# Altium PCB 1166V10.PcbDoc (part 2 of 6)
Units mm, origin at the board's own origin, x right, y up, seen from the top; angles counter-clockwise.
Board outline 155.98 x 100 mm, 8 copper layers (Top Layer, Layer 1, Layer 2, Layer 3, Layer 4, Layer 5, Layer 6, Bottom Layer), stack 1.6 mm thick; 455 components, 271 nets, 1649 pads, 2175 vias.
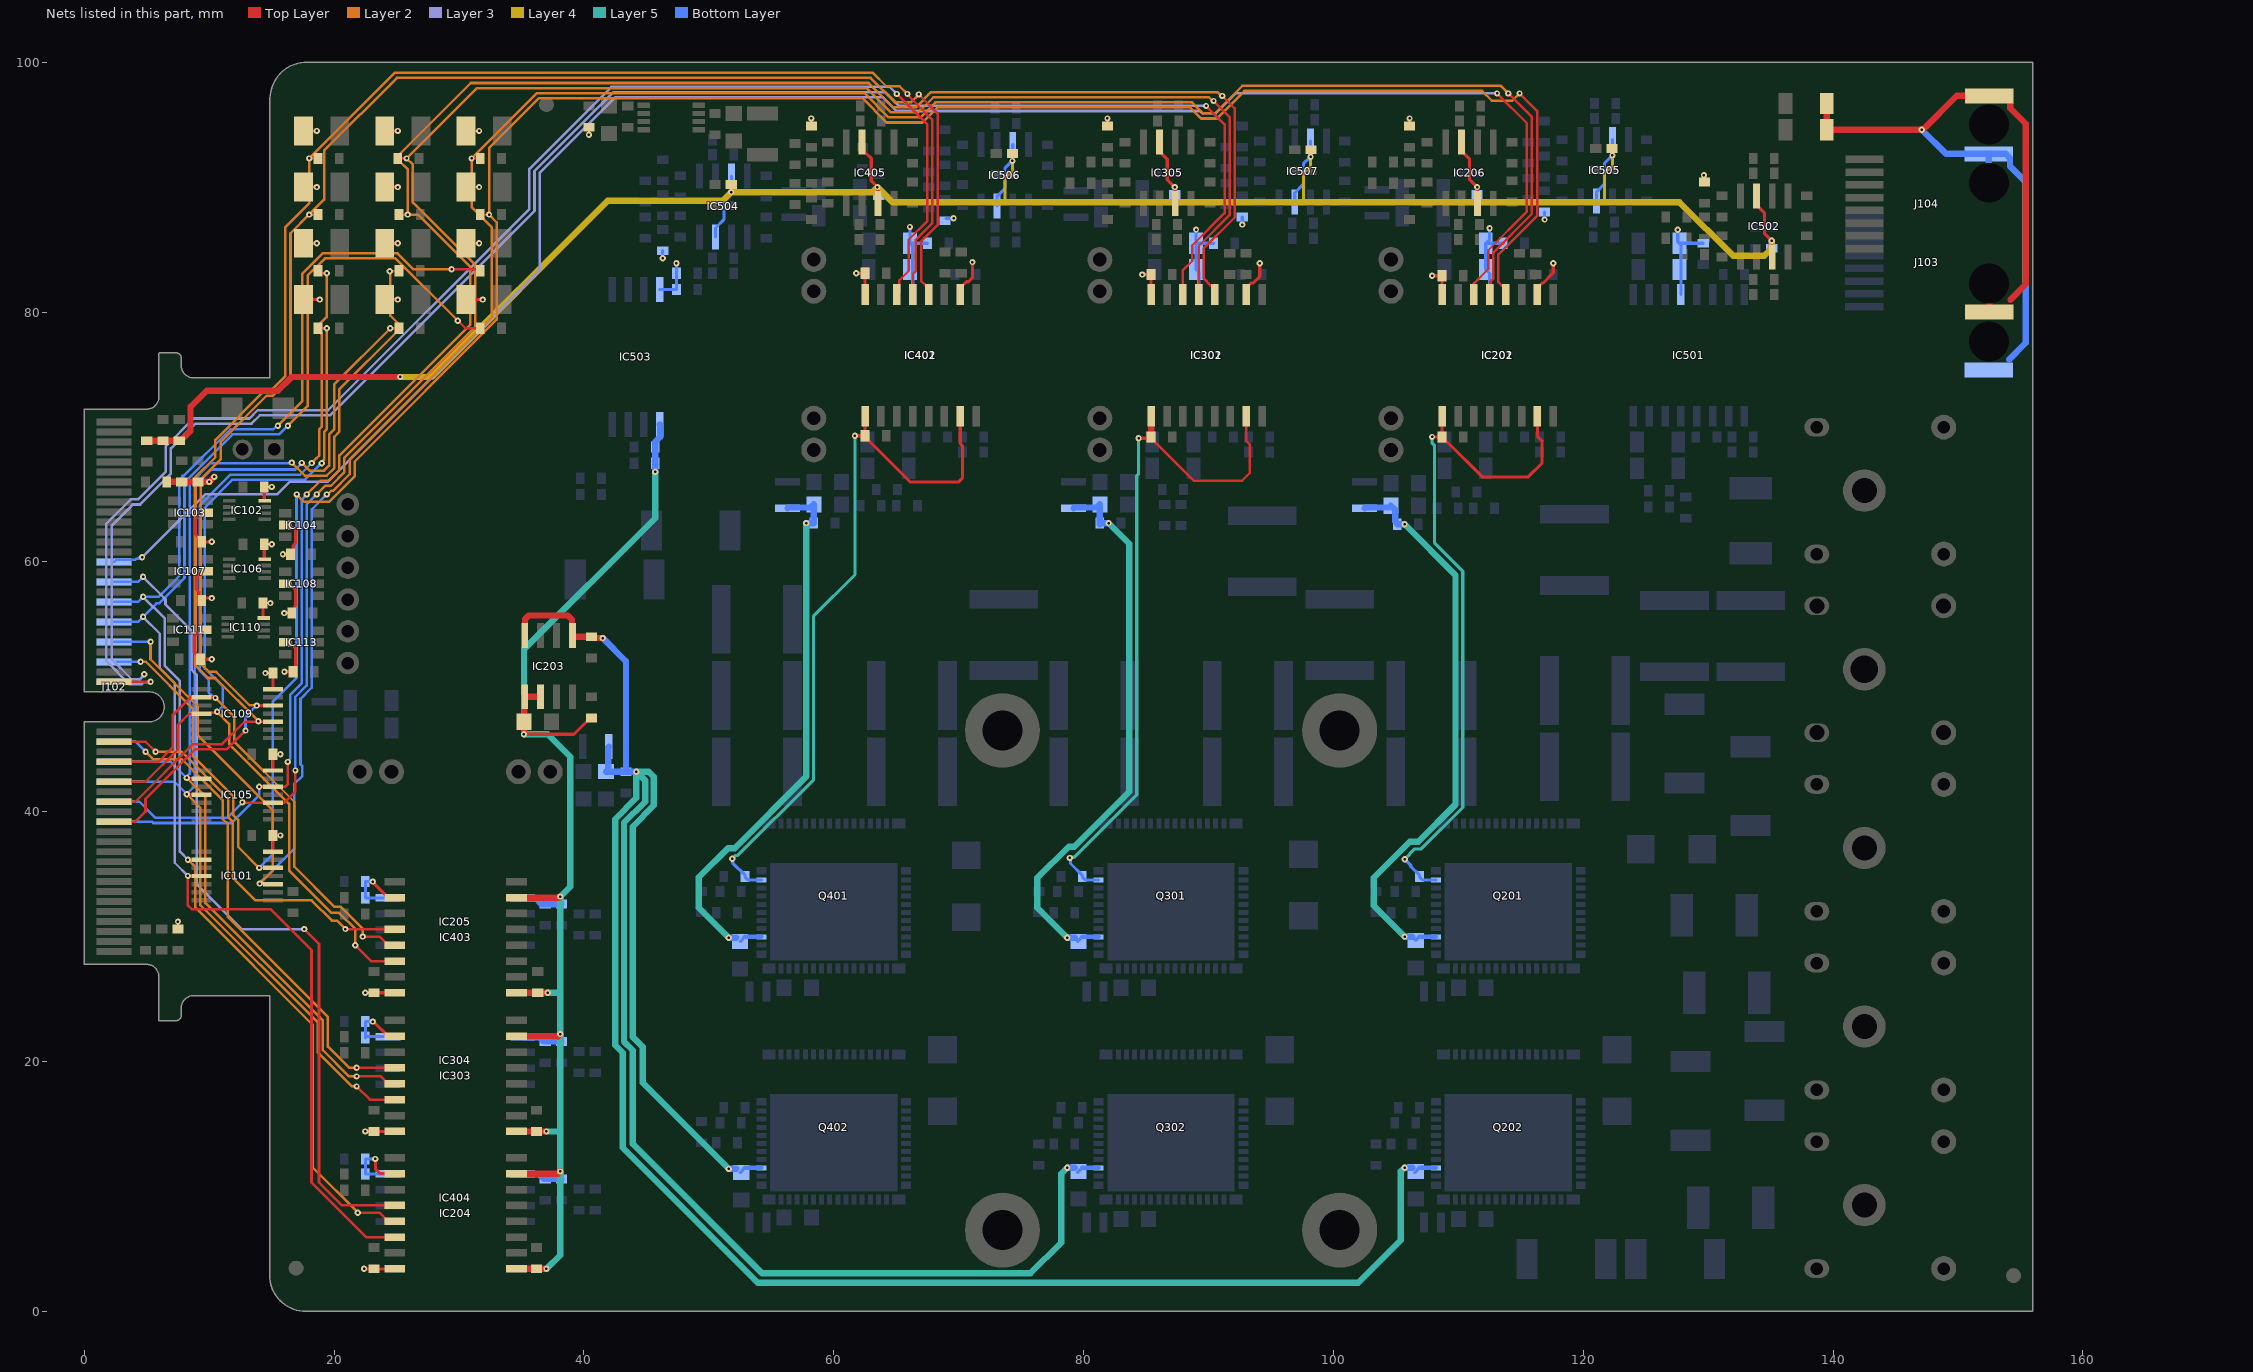
[diagram p8: the nets of this part, all layers, seen from the top]

## Part data
C101 C102 C103 C104 C105 C106 C107 C108 C109 C201 C202 C203 C204 C205 C206 C207 C208 C209 C210 C211 C212 C213 C214 C215 C216 C217 C218 C219 C220 C221 C222 C223 C224 C225 C226 C227 C228 C229 C230 C231 C232 C233 C234 C235 C236 C237 C301 C302 C303 C304 C305 C306 C307 C308 C309 C310 C311 C312 C313 C314 C315 C316 C317 C318 C319 C320 C321 C322 C323 C324 C325 C326 C327 C328 C329 C330 C331 C332 C401 C402 C403 C404 C405 C406 C407 C408 C409 C410 C411 C412 C413 C414 C415 C416 C417 C418 C419 C420 C421 C422 C423 C424 C425 C426 C427 C428 C429 C430 C431 C432 C501 C502 C503 C504 C505 C506 C507 C508 C509 C510 C511 C512 C513 C514 C515 C516 C517 C518 C519 C520 C521 C522 C523 C524 C525 C526 C527 C528 C529 C530 C531 C532 C533 C534 C535 C536 C537 C538 C539 C540 C541 C542 CF101 CF102 CF103 CF104 CF105 CF106 CF107 CF108 CF109 CF110 CF111 CF112 CF201 CF202 CF203 CF204 CF205 CF206 CF207 CF208 CF209 CF210 CF211 CF212 CF213 CF214 CF215 CF301 CF302 CF303 CF304 CF305 CF306 CF307 CF308 CF309 CF310 CF311 CF312 CF401 CF402 CF403 CF404 CF405 CF406 CF407 CF408 CF409 CF410 CF411 CF412 CF501 CF502 CF503 CF504 CF505 CF506 CF507 CF508 CF509 CF510 CF511 CF512 CF513 CF514 CX101: library part Cap_SMD, "Capacitor (SMD)", Class I=Pasiv, Class II=Capacitor, Last edited="20.11.2006 10:25"
D101: "Schottky Barrier Rectifier Vr=60V If=1A", Manufacturer="General Semiconductor", Package information=Unknown, Package Reference="DO-214AC (SMA)", Best.-Nr.="Farnell 145-6528RL", Class I=Discret, Class II="Schottky Earrier Rectifier Vr=60V If=1A", Datasheet="Ver. 7 Nov 2000"
D201 D206 D301 D306 D401 D406: "Silicon Carbide Schottky Diode Vr=1200V If=1A", Manufacturer="GeneSiC Semiconductor", Package information=Unknown, Package Reference="DO-214AA (SMB)", Best.-Nr.="DigiKey: 1242-1169-1-ND", Class I=Discret, Class II="Silicon Carbide Schottky Diode Vr=1200V If=1A", Datasheet="Ver. 7 Nov 2000"
D202 D204 D302 D304 D402 D404: "Top LED Super red, 2mA, 18mcd, -40-100°C", Manufacturer=Vishay, Best.-Nr.="Farnell 132-8349", Class I=Discrete, Class II="TOPLED Red", Last edited="23.01.2007 08:58"
D203 D205 D303 D305 D403 D405: "Top LED Yellow, 2mA, 18mcd, -40-100°C", Manufacturer=Vishay, Best.-Nr.=???, Class I=Discrete, Class II="TOPLED Yellow", Last edited="23.01.2007 08:58"
IC101 IC105 IC109: "Dual 4-Input AND Gate with Schmitt Trigger Input", Manufacturer="Texas Instrument", Package information=Unknown, Package Reference=TSSOP-14, Best.-Nr.="DigiKey: 296-SN74HCS21PWRCT-ND", Class I=Logic, Class II=Gate, Datasheet=SCES200J
IC102 IC106 IC110: "(VSSOP) Dual 2-Input Positive AND Gate", Manufacturer="Texas Instrument", Package information=Unknown, Package Reference=VSSOP-8, Class I=Logic, Class II="Dual 2-Input Positive AND Gate", Datasheet="SCES193J, Rev. Sep 2003"
IC103 IC107 IC111: library part SN74LVC2G17D_, "Dual Buffer with Schmitt Trigger Input", Manufacturer="Texas Instrument", value121=SN74LVC2G17DCK, Best.-Nr.="Farnell 147-0776 (SOT23-6), 128-7569 (SC-70)", Class I=Logic, Class II="Dual Buffer with Schmitt Trigger Input", Datasheet="SCES381E, Rev. Sep 2003", Last edited="22.01.2007 11:08", value111=SN74LVC2G17DBV
IC104 IC108 IC113: library part SN74LVC2G14D_, "Dual Inverter with Schmitt Trigger Input", Manufacturer="Texas Instrument", value121=SN74LVC2G14DCK, Class I=Logic, Class II="Dual Inverter with Schmitt Trigger Input", Datasheet=SCES200J, Last edited="22.01.2007 11:08", value111=SN74LVC2G14DBV
IC112: "Voltage References 2,5V, 2ppm/°C, Low Noise 0,25ppm", Manufacturer="Linear Technology", Package information=Unknown, Package Reference=MSOP-8, Best.-Nr.="Farnell 229-5508", Class I=Discret, Class II="Voltage References 2,5V, 2ppm/°C, Low Noise 0,25ppm", Datasheet=Unknown
IC201 IC301 IC401 IC501: "±250 mV Input Voltage Range, Reinforced Isolated Amplifier and High Bandwidth of 300 kHz", Manufacturer="Texas Instruments", Package information=Unknown, Package Reference=SOIC-16-W, Best.-Nr.="DigiKey: 296-AMC3301DWE-ND", Class I="Isolated Amplifier", Class II="±250 mV, 300KHz, -40-125°C", Datasheet=Unknown
IC202 IC204 IC302 IC303 IC402 IC403: "Quad-CH 100Mbps Isolators 1 IN/3 OUT, 5000V Reinforced, (-40-150°C)", Manufacturer="Anaolog Devices", Package information=Unknown, Package Reference=SOIC-16W, Best.-Nr.="DigiKey: 296-ISO7741FEDWQ1-ND", Class I=Optocoupler, Class II="Quad-CH 100Mbps Isolators 1 IN/3 OUT, 5000V Reinforced, (-40-150°C)", Datasheet=Unknown
IC203: "LDO 5V/500mA, Vin 20V (-40-125°C)", Manufacturer="Linear Technology", Package information=Unknown, Package Reference=SO-8, Best.-Nr.="Farnell 229-5214", Class I=Discret, Class II="LDO 5V/500mA, Vin 20V (-40-125°C)", Datasheet=???
IC205 IC304 IC404 IC503: "2V Input, Automotive High-Impedance, Reinforced Isolated Amplifier for Voltage Sensing", Manufacturer="Texas Instruments", Package information=Unknown, Package Reference=SOIC-8-W, Best.-Nr.="Mouser: 595-AMC1311BQDWVRQ1", Class I="Isolated Amplifier", Class II="2V, 275KHz, -40-125°C", Datasheet=Unknown
IC206 IC305 IC405 IC502 IC504 IC505 IC506 IC507: "Fully Differential ADC Drivers (-40-125°C)", Manufacturer="ANALOG DEVICES", Package Reference=SOIC-N-8, Best.-Nr.="Farnell 209-6178", Class I=Analog, Class II="Fully Differential ADC Drivers (-40-125°C)", Datasheet="DSO11449, Ver. Aug 2000", Last edited="04.01.2007 10:14"
J101: "Single In-line Connector 2 pin", Class I=Connectors, Class II="Single In-line Connector 2 pin", Last edited="08.12.2006 17:09"
J102: "Einsteckkarte für KI-POWER Projekt (Ultra ZYNQ)", Manufacturer=Samtec, Best.-Nr.="Gegenstecker: Samtec HSEC8-150-01-XX-DV-A-BL", Class I=Connectors, Class II="Einsteckkarte für KI-POWER Projekt (Ultra ZYNQ)", Datasheet=2000/1, Last edited="07.09.2020 13:28"
J103 J104: library part WE-634008149821, "SMD CAT3 RJ-45 Connector", Manufacturer="Würth Elektronik", Best.-Nr.=WE-634008149821, Class I=Connectors, Class II="RJ-45 Connector", Datasheet=Unknown, Package Reference=WE-634008149821
J201 J301 J401: "Labor Winkelbuchsen 4mm Schwarz", Manufacturer=Multi-Contact, Best.-Nr.="Farnell: 108-5521", Class I=Connectors, Class II="Labor Winkelbuchsen 4mm Schwarz", Last edited="07.03.2007 13:28"
J501: "Labor Winkelbuchsen 4mm Rot", Manufacturer=Multi-Contact, Best.-Nr.="Farnell: 413-0261", Class I=Connectors, Class II="Labor Winkelbuchsen 4mm Rot", Last edited="07.03.2007 13:28"
J502: "Labor Winkelbuchsen 4mm Blau", Manufacturer="CLIFF Electronic", Best.-Nr.="Farnell: 185-4511", Class I=Connectors, Class II="Labor Winkelbuchsen 4mm Blau", Last edited="07.03.2007 13:28"
JX101 JX102 JX103 JX104 TP101 TP102 TP103 TP104 TP105 TP106: "PAD"
KIng101: "Kuebrich-Ing. Logo"
L101 L102 L103: library part WE-742792651, "Ferrite SMD 600R@100MHz 1A (0603)", Manufacturer=Wuerth-Elektronik, Best.-Nr.=WE-742792651, Class I=Pasive, Class II="Ferrite SMD 600R@100MHz 1A", Last edited="08.12.2006 12:28"
L201 L202 L204 L205 L301 L302 L401 L402: library part CB2518T101K, "100µH, 60/120mA. (1007), -40-105°C", Manufacturer="Taiyo Yuden", Best.-Nr.="DigiKey:   587-2192-1-ND", Class I=Pasive, Class II="100µH, 60/120mA. (1007), -40-105°C", Last edited="08.12.2006 12:28"
L203 L206 L303 L304 L403 L404: library part SDEM20161T-4R7MS, "Power Choke 4u7H 1,1A", Manufacturer="Delta Electronics/Cyntec", Best.-Nr.="DigiKey: 2037-SDEM20161T-4R7MSCT-ND", Class I=Pasive, Class II="Power Choke 4u7H 1,1A", Last edited="15.03.2007 11:19"
LP101: library part Leiterplatte, "Leiterplatte 100 x 156 mm, 8 Lagen (8x 70 µm)", Manufacturer="Generic Manufacturer"
P101: library part Part, "Kühlkörper 80x50x10 mm", Manufacturer="Fischer Elektronik", Best.-Nr.="SK 545 50 SA"
PS201 PS301 PS401: "DC/DC Converter 24V to 12V, 1W, 84mA (unregulated) 6,4KVDC Rainforced", Manufacturer=Recom, Package information=Unknown, Package Reference=SIP-7, Best.-Nr.="Mouser: 919-R24P12SX2PR6.4", Class I=Analog, Class II="DC/DC Converter 24V to 12V, 1W, 84mA (unregulated) 6,4KVDC Rainforced", Datasheet="Rev. 28 Apr 2002"
PS202: "DC/DC Converter 24V to 12V, 2W, 167mA (unregulated) 6,4KVDC Rainforced", Manufacturer=Recom, Package information=Unknown, Package Reference=SIP-7, Best.-Nr.="Mouser: 919-R24P212SX2PR6.4", Class I=Analog, Class II="DC/DC Converter 24V to 12V, 2W, 167mA (unregulated) 6,4KVDC Rainforced", Datasheet="Rev. 28 Apr 2002"
Q201 Q202 Q301 Q302 Q401 Q402: "GaN FET Power Stage With Cycle-by-cycle Overcurrent Protection 600V/40A/30mOhm", Manufacturer="Texas Instruments", Package information=Unknown, Package Reference=VQFN-32, Best.-Nr.=TI-Shop, Class I=Discret, Class II="GaN FET Power Stage With Cycle-by-cycle Overcurrent Protection 600V/40A/30mOhm", Datasheet=LMG3425R030
R101 R102 R103 R104 R201 R202 R203 R204 R205 R206 R207 R208 R209 R210 R212 R213 R214 R215 R216 R217 R218 R221 R222 R223 R224 R225 R301 R302 R303 R304 R305 R306 R307 R308 R309 R310 R312 R313 R314 R315 R316 R317 R318 R321 R322 R323 R324 R325 R401 R402 R403 R404 R405 R406 R407 R408 R409 R410 R412 R413 R414 R415 R416 R417 R418 R421 R422 R423 R424 R425 R501 R502 R503 R504 R505 R506 R507 R508 R509 R510 R513 R514 R515 R516 R517 R519 R520 R521 R522 R523 R524 R525 R526 R527 R528 R529 R530 R531 R532 R533 R534 R535 R536 R537 R538 R539 R540 R541 R542 R543 R544 R545 R546 R547 RX101: library part Res_SMD, "Resistor SMD", Class I=Pasiv, Class II=Resistor, Last edited="17.11.2006 11:38"
R211 R311 R411: library part MCLRP12DTDRR018, "18mOhm, 3W, 0,5%, 50ppm/°C", Manufacturer=Milticomp, Best.-Nr.="Farnell: 282-8111", Class I=Pasiv, Class II="Shunt 3W", Last edited="23.11.2010 14:12"
R219 R220 R319 R320 R419 R420 R511 R512: library part HVCB2512BDE1M00, "Resistor SMD 1M/0,1%/3KV/2W/25ppm/°C", Best.-Nr.="DigiKey: HVCB2512BDE1M00CT-ND", Class I=Pasiv, Class II=Resistor, Last edited="17.11.2006 11:38"
R518: library part LRMAP2512-R01FT4, "10mOhm, 3W, 1%, 50ppm/°C", Manufacturer="TT Electronics", Best.-Nr.="Farnell: 207-9429", Class I=Pasiv, Class II="Shunt 3W", Last edited="23.11.2010 14:12"

## Via types
v1: diameter 0.5, hole 0.2, Top Layer to Bottom Layer, 2175 vias

## Nets (pads, with @x,y where several pads share a name; then routed paths per layer and width w, separated by ;. In a path a pad name is that pad's centre, name@x,y a point inside that pad or via, vN(x,y) a via of type N, cw(c..) or ccw(c..) an arc to the next point about the centre after c; other vN are vias at no path point)
1P5V: C229.1 CF207.1 CF209.2 CF214.1 CF215.1 CF306.2 CF311.1 CF312.1 CF406.2 CF411.1 CF412.1 CF505.1 CF506.1 IC203.1 IC203.2 IC204.1 IC204.7 IC205.1 IC303.1 IC303.7 IC304.1 IC403.1 IC403.7 IC404.1 IC503.1 | length 117.6
  Top Layer w0.254: v1(35.2,46.2) 39.2,46.2 40.5,47.5 C229.1@40.6,47.5
  Top Layer w0.508: IC204.1@34.6,3.4 CF209.2@36.2,3.4 v1(37,3.4) ; IC204.7@34.6,11.02 37.92,11.02 v1(38.1,11.2) ; IC303.1@34.6,14.4 CF306.2@36.2,14.4 v1(37,14.4) ; IC303.7@34.6,22.02 37.92,22.02 v1(38.1,22.2) ; IC403.1@34.6,25.5 CF406.2@36.3,25.5 v1(37.1,25.5) ; IC403.7@34.6,33.12 38.02,33.12 v1(38.1,33.2) ; v1(35.2,46.2) CF207.1@35.2,47.2 35.239,47.239 35.239,49.179 IC203.1@35.26,49.2 IC203.2@36.53,49.2
  Layer 5 w0.508: v1(37,3.4) 38.1,4.5 v1(38.1,11.2) 38.1,14.4 ; v1(37,14.4) 38.1,14.4 ; v1(37.1,25.5) 38.1,25.5 ; v1(45.7,67.2) 45.7,63.5 35.2,53 v1(35.2,46.2) 37.1,46.2 38.9,44.4 38.9,34 v1(38.1,33.2) 38.1,25.5 ; 38.1,14.4 v1(38.1,22.2) 38.1,25.5
  Bottom Layer w0.508: IC404.1@35.1,11 35.146,10.954 36.446,10.954 36.8,10.6 CF411.1@36.9,10.6 CF412.1@38.2,10.6 38.112,10.688 38.112,11.188 v1(38.1,11.2) ; IC304.1@35.1,22 35.146,21.954 36.446,21.954 36.8,21.6 CF311.1@36.9,21.6 CF312.1@38.2,21.6 38.112,21.688 38.112,22.188 v1(38.1,22.2) ; IC205.1@35.1,33.1 35.146,33.054 36.146,33.054 36.6,32.6 CF214.1@36.9,32.6 CF215.1@38.2,32.6 38.112,32.688 38.112,33.188 v1(38.1,33.2) ; v1(45.7,67.2) CF506.1@45.7,67.9 45.7,69.6 46.1,70 46.1,70.97 IC503.1@46.07,71
1P12V: C224.1 C225.2 C228.1 C322.2 C422.2 CF206.1 IC203.5 IC203.8 L205.2 Q202.46 Q302.46 Q402.46 | length 251.1
  Top Layer w0.508: IC203.8@35.26,54.1 35.281,54.121 35.281,55.402 35.579,55.7 38.7,55.7 39.049,55.351 39.049,54.121 IC203.5@39.07,54.1 39.07,54.021 39.091,54 40.5,54 40.596,53.904 41.496,53.904 v1(41.5,53.9)
  Layer 5 w0.508: v1(51.6,11.4) 44.7,18.3 44.7,21.159 43.9,21.959 43.9,38.8 45.6,40.5 45.6,42.8 45.2,43.2 v1(44.2,43.2) ; v1(78.7,11.5) 78.2,11 78.2,5.5 75.743,3.043 54.257,3.043 43.9,13.4 43.9,20.9 43.2,21.6 43.2,39.1 44.9,40.8 44.9,42.5 v1(44.2,43.2) ; v1(105.7,11.5) 105.4,11.2 105.4,5.7 102,2.3 53.9,2.3 43.1,13.1 43.1,20.7 42.5,21.3 42.5,39.4 44.2,41.1 v1(44.2,43.2)
  Bottom Layer w0.254: C422.2@52.5,11.1 C422.2@52.885,11.485 ; C322.2@79.5,11.1 C322.2@79.885,11.485 ; C225.2@106.5,11.1 C225.2@106.885,11.485
  Bottom Layer w0.381: C422.2@52.885,11.485 Q402.46@54.2,11.485 ; C322.2@79.885,11.485 Q302.46@81.2,11.485 ; C225.2@106.885,11.485 Q202.46@108.2,11.485
  Bottom Layer w0.508: v1(41.5,53.9) 43.36,52.04 C224.1@43.36,43.2 v1(44.2,43.2) ; CF206.1@41.76,43.2 C224.1@43.24,43.2 ; CF206.1@41.954,43.394 41.954,45.154 L205.2@42,45.2 ; v1(51.6,11.4) C422.2@52.2,11.4 ; v1(78.7,11.5) C322.2@79.3,11.5 ; v1(105.7,11.5) C225.2@106.3,11.5
2P5V: C209.2 CF204.2 IC202.1 IC202.7 Q201.53 | length 56.6
  Top Layer w0.254: v1(107.897,70) CF204.2@108.7,70 ; IC202.1@108.71,71.65 108.705,71.645 108.705,70.005 CF204.2@108.7,70 ; IC202.7@116.33,71.65 116.33,70.07 116.7,69.7 116.7,67.9 115.6,66.8 111.9,66.8 109.023,69.677 108.923,69.677 108.7,69.9 CF204.2@108.7,70
  Layer 5 w0.254: v1(105.702,36.198) 105.702,36.202 106.516,37.016 107.042,37.016 110.355,40.329 110.355,59.245 108.1,61.5 108.1,69.297 107.897,69.5 v1(107.897,70)
  Bottom Layer w0.254: v1(105.702,36.198) 106.188,35.712 106.188,35.612 106.9,34.9 C209.2@106.9,34.8 106.9,34.758 107.123,34.535 Q201.53@108.2,34.535
2P12V: C201.2 C208.1 CF202.1 L202.2 Q201.46 | length 46.1
  Layer 5 w0.508: v1(105.7,30) 103.226,32.474 103.226,34.722 106.104,37.6 106.8,37.6 109.771,40.571 109.771,58.929 v1(105.7,63)
  Bottom Layer w0.254: C201.2@106.3,30 C201.2@106.6,29.7 C201.2@106.885,29.985
  Bottom Layer w0.381: C201.2@106.885,29.985 Q201.46@108.2,29.985
  Bottom Layer w0.508: L202.2@102.5,64.3 102.546,64.346 104.446,64.346 CF202.1@104.6,64.5 104.946,64.154 104.946,63.254 105.1,63.1 C208.1@105.1,63 v1(105.7,63) ; v1(105.7,30) C201.2@106.3,30
3P5V: C309.2 CF304.2 IC302.1 IC302.7 Q301.53 | length 56.4
  Top Layer w0.203: CF304.2@85.4,70 85.4,69.9 86.4,68.9 88.8,66.5 92.7,66.5 93.3,67.1 93.3,69.4 93.03,69.67 IC302.7@93.03,71.65
  Top Layer w0.254: v1(84.4,69.9) CF304.2@85.4,69.9
  Top Layer w0.508: CF304.2@85.4,70 85.405,70.005 85.405,71.645 IC302.1@85.41,71.65
  Layer 5 w0.254: v1(78.9,36.3) 78.947,36.347 79.236,36.347 84.249,41.36 84.249,66.891 84.4,67.042 v1(84.4,69.9)
  Bottom Layer w0.254: v1(78.9,36.3) 78.947,36.253 78.947,35.853 79.9,34.9 C309.2@79.9,34.8 79.9,34.758 80.123,34.535 Q301.53@81.2,34.535
3P12V: C301.2 C308.1 CF302.1 L302.2 Q301.46 | length 45.2
  Layer 5 w0.508: v1(78.7,29.9) 76.3,32.3 76.3,34.7 78.8,37.2 79.263,37.2 83.665,41.602 83.665,41.891 83.665,61.435 v1(82,63.1)
  Bottom Layer w0.254: C301.2@79.5,29.6 C301.2@79.885,29.985
  Bottom Layer w0.381: C301.2@79.885,29.985 Q301.46@81.2,29.985
  Bottom Layer w0.508: v1(78.7,29.9) C301.2@79.3,29.9 ; L302.2@79.2,64.3 79.246,64.346 81.046,64.346 CF302.1@81.3,64.6 C308.1@81.3,63 ; C308.1@81.3,63.1 v1(82,63.1)
3V3: C108.2 C109.2 C212.1 C213.1 C233.2 C312.1 C313.1 C328.2 C412.1 C413.1 C428.2 C503.2 C505.1 C506.1 C516.2 C529.2 C534.2 C539.2 CF101.2 CF102.2 CF103.2 CF104.1 CF105.1 CF106.1 CF107.1 CF108.1 CF109.1 CF110.1 CF111.1 CF112.1 CF203.1 CF208.1 CF212.1 CF213.1 CF303.1 CF305.1 CF309.1 CF310.1 CF403.1 CF405.1 CF409.1 CF410.1 CF503.1 CF504.1 D202.1 D203.1 D204.1 D205.1 D302.1 D303.1 D304.1 D305.1 D402.1 D403.1 D404.1 D405.1 IC101.14 IC102.8 IC103.5 IC104.5 IC105.14 IC106.8 IC107.5 IC108.5 IC109.14 IC110.8 IC111.5 IC113.5 IC201.12 IC202.10 IC202.16 IC204.10 IC204.16 IC205.8 IC301.12 IC302.10 IC302.16 IC303.10 IC303.16 IC304.8 IC401.12 IC402.10 IC402.16 IC403.10 IC403.16 IC404.8 IC501.12 IC503.8 L101.1 L103.2 R104.1 R203.2 R303.2 R403.2 R502.2 | length 129
  Top Layer w0.254: R104.1@7.5,30.6 v1(7.5,31.2) ; CF110.1@9.3,52.3 8.8,52.8 8.8,54.009 9.122,54.332 9.475,54.332 IC111.5@9.691,54.548 ; CF111.1@9.4,56.9 9.177,57.123 9.177,57.604 8.965,57.815 8.965,58.775 9.222,59.032 9.575,59.032 IC107.5@9.791,59.247 ; CF110.1@9.5,52.2 v1(10.2,52.2) ; CF112.1@9.5,61.6 8.9,62.2 8.9,63.409 9.222,63.732 9.575,63.732 IC103.5@9.791,63.947 ; CF111.1@9.6,57.1 v1(10.2,57.1) ; CF112.1@9.7,61.6 v1(10.2,61.6) ; IC110.8@14.35,55.5 14.323,55.5 14.3,55.523 CF107.1@14.3,56.7 v1(14.9,56.7) ; IC106.8@14.45,60.2 14.423,60.2 14.4,60.223 CF108.1@14.4,61.4 v1(15,61.4) ; IC102.8@14.45,64.9 14.423,64.9 14.4,64.923 CF109.1@14.4,66 v1(15,66) ; v1(14.5,51.1) CF101.2@15.1,51.1 IC109.14@15.1,49.8 ; IC101.14@15.1,36.8 CF103.2@15.1,38.1 v1(15.7,38.1) ; IC105.14@15.1,43.3 CF102.2@15.1,44.6 v1(15.7,44.6) ; v1(15.9,60.6) CF104.1@16.5,60.6 16.723,60.823 16.723,61.313 16.926,61.515 16.926,62.557 16.751,62.732 16.316,62.732 IC104.5@16.1,62.947 ; v1(16.003,55.9) CF105.1@16.6,55.9 16.823,56.123 16.823,56.423 16.926,56.526 16.926,57.775 16.669,58.032 16.316,58.032 IC108.5@16.1,58.248 ; v1(16.026,51.2) CF106.1@16.7,51.2 16.9,51.4 16.9,51.8 16.926,51.826 16.926,53.075 16.669,53.332 16.316,53.332 IC113.5@16.1,53.548 ; D404.1@17.55,81 v1@18.655,81 ; D405.1@17.55,85.5 v1(18.6,85.5) ; D402.1@17.55,90 v1(18.6,90) ; D403.1@17.55,94.5 v1(18.6,94.5) ; v1(22.4,3.4) CF208.1@23.2,3.4 IC204.16@24.85,3.4 ; v1(22.5,14.4) CF305.1@23.2,14.4 IC303.16@24.85,14.4 ; v1(22.5,25.5) CF405.1@23.2,25.5 IC403.16@24.85,25.5 ; v1(23.1,23.2) 23.145,23.2 24.325,22.02 IC303.10@24.85,22.02 ; v1(23.1,34.4) 23.1,34.345 24.325,33.12 IC403.10@24.85,33.12 ; v1(23.3,12.2) 23.3,11.4 23.68,11.02 IC204.10@24.85,11.02 ; D304.1@24.05,81 v1(25.1,81) ; D305.1@24.05,85.5 v1(25.1,85.5) ; D302.1@24.05,90 v1(25.1,90) ; D303.1@24.05,94.5 v1(25.1,94.5) ; D204.1@30.55,81 v1(31.9,81) ; D205.1@30.55,85.5 v1(31.6,85.5) ; D202.1@30.55,90 v1(31.6,90) ; D203.1@30.55,94.5 v1(31.6,94.5) ; v1(40.4,94.2) L101.1@40.4,94.8 ; v1(58.2,95.5) 58.21,95.49 C428.2@58.21,94.9 ; v1(61.797,83.1) CF403.1@62.5,83.1 62.505,83.095 62.505,81.405 IC402.16@62.51,81.4 ; IC402.10@70.13,81.4 70.13,81.925 70.625,82.42 70.787,82.42 71.1,82.733 v1(71.1,84) ; C328.2@81.91,94.9 v1(81.91,95.5) ; v1(84.697,83) CF303.1@85.4,83 85.405,82.995 85.405,81.405 IC302.16@85.41,81.4 ; IC302.10@93.03,81.4 93.03,81.925 93.425,82.32 93.587,82.32 94.1,82.833 v1(94.1,83.903) ; C233.2@106.1,94.9 v1(106.1,95.5) ; v1(107.897,82.9) CF203.1@108.7,82.9 108.705,82.895 108.705,81.405 IC202.16@108.71,81.4 ; IC202.10@116.33,81.4 116.33,81.925 116.725,82.32 116.787,82.32 117.6,83.133 v1(117.6,83.903) ; v1(127.561,86.583) v1@127.561,86.639 ; v1(129.658,90.958) 129.658,90.442 C503.2@129.7,90.4
  Top Layer w0.508: L103.2@6.6,66.4 C108.2@7.8,66.4 C109.2@9.1,66.4 v1(10,66.4) v1(10.4,66.8)
  Bottom Layer w0.254: v1(23.1,23.2) CF309.1@22.5,23.2 CF310.1@22.5,21.9 22.6,22 IC304.8@24.3,22 ; v1(23.1,34.4) CF212.1@22.5,34.4 CF213.1@22.5,33.1 IC205.8@24.3,33.1 ; v1(23.3,12.2) CF409.1@22.5,12.2 CF410.1@22.5,11 IC404.8@24.3,11 ; IC503.8@46.07,81.8 CF504.1@47.4,81.8 CF503.1@47.4,83.1 v1(47.4,83.9) ; v1(46.3,84.3) C516.2@46.3,84.9 ; v1(66.1,86.807) C412.1@66.1,85.5 ; IC401.12@66.32,81.4 66.32,85.28 C412.1@66.1,85.5 ; R403.2@67.5,85.5 C412.1@66.1,85.5 ; C534.2@69,87.5 v1(69.593,87.5) ; v1(89,86.6) C312.1@89,85.5 ; IC301.12@89.22,81.4 89.22,83.18 C313.1@89,83.4 C312.1@89,85.5 ; R303.2@90.4,85.5 C312.1@89,85.5 ; v1(92.7,87) C539.2@92.7,87.6 ; v1(112.503,86.7) 112.503,85.803 C212.1@112.2,85.5 ; IC201.12@112.52,81.4 112.52,83.08 C213.1@112.2,83.4 C212.1@112.2,85.5 ; R203.2@113.6,85.5 C212.1@112.2,85.5 ; v1(116.9,87.4) C529.2@116.9,88 ; v1(127.561,86.583) 127.561,85.639 C505.1@127.7,85.5 ; IC501.12@127.82,81.4 127.82,85.38 C505.1@127.7,85.5 ; R502.2@129.6,85.5 C505.1@127.7,85.5
  other v1: 18.845,81
4P5V: C409.2 CF404.2 IC402.1 IC402.7 Q401.53 | length 58.2
  Top Layer w0.254: v1(61.697,70.1) CF404.2@62.5,70.1 ; IC402.1@62.51,71.65 62.505,71.645 62.505,70.105 CF404.2@62.5,70.1 ; IC402.7@70.13,71.65 70.13,69.47 70.3,69.3 70.3,66.7 70,66.4 66.1,66.4 62.5,70 CF404.2@62.5,70.1
  Layer 5 w0.254: v1(51.87,36.23) 52.141,36.501 52.315,36.501 58.384,42.57 58.384,55.67 61.697,58.982 v1(61.697,70.1)
  Bottom Layer w0.254: v1(51.87,36.23) 51.917,36.183 51.917,35.883 52.9,34.9 C409.2@52.9,34.8 52.9,34.758 53.123,34.535 Q401.53@54.2,34.535
4P12V: C401.2 C408.1 CF402.1 L402.2 Q401.46 | length 44.9
  Layer 5 w0.508: v1(51.6,29.9) 49.2,32.3 49.2,34.756 51.529,37.085 52.073,37.085 57.8,42.812 v1(57.8,63.1)
  Bottom Layer w0.254: C401.2@52.5,29.6 C401.2@52.885,29.985 ; CF402.1@58.25,64.45 CF402.1@58.4,64.6
  Bottom Layer w0.381: C401.2@52.885,29.985 Q401.46@54.2,29.985
  Bottom Layer w0.508: v1(51.6,29.9) C401.2@52.2,29.9 ; L402.2@56.3,64.3 56.346,64.346 58.146,64.346 CF402.1@58.25,64.45 ; v1(57.8,63.1) C408.1@58.4,63.1 CF402.1@58.4,64.6
5V: C106.2 C107.2 CF211.1 CF308.1 CF408.1 CF502.1 CF508.1 CF510.1 CF512.1 CF514.1 IC206.3 IC206.7 IC305.3 IC305.7 IC405.3 IC405.7 IC502.3 IC502.7 IC504.3 IC504.7 IC505.3 IC505.7 IC506.3 IC506.7 IC507.3 IC507.7 L102.2 | length 204.1
  Top Layer w0.254: v1(51.8,89.6) CF508.1@51.8,90.2 ; IC405.7@62.27,93.6 62.27,92.875 62.418,92.727 62.573,92.727 63,92.3 63,90.5 v1(63.5,90) 63.54,89.96 IC405.3@63.54,88.7 ; v1(74.3,92.1) CF512.1@74.3,92.7 ; IC305.7@86.07,93.6 86.07,92.875 86.7,92.245 86.7,90.6 v1(87.3,90) 87.32,89.98 87.32,89.35 87.34,89.33 IC305.3@87.34,88.7 ; v1(98.17,92.43) CF514.1@98.17,93.03 ; IC206.7@110.26,93.6 110.26,92.875 110.9,92.235 110.9,90.6 v1(111.5,90) 111.53,89.97 IC206.3@111.53,88.7 ; IC502.7@133.86,89.3 133.86,88.575 134.5,87.935 134.5,86.3 v1(135.1,85.7) 135.115,85.685 135.115,84.415 IC502.3@135.13,84.4
  Top Layer w0.508: L102.2@5,69.7 C107.2@7.6,69.7 7.7,69.7 8.507,70.507 8.507,72.407 9.8,73.7 15.5,73.7 16.6,74.8 v1(25.3,74.8)
  Layer 4 w0.254: 73.7,89 73.7,90.7 74.3,91.3 v1(74.3,92.1) ; 87.2,88.8 87.3,88.9 v1(87.3,90) ; 97.6,89 97.6,91.1 98.17,91.67 v1(98.17,92.43) ; v1(111.5,90) 111.5,88.9 111.6,88.8 ; 121.7,88.8 121.7,91.1 122.34,91.74 v1(122.34,92.54)
  Layer 4 w0.508: v1(25.3,74.8) 27.8,74.8 41.9,88.9 51.1,88.9 v1(51.8,89.6) 63.1,89.6 v1(63.5,90) 64.7,88.8 87.2,88.8 111.6,88.8 121.7,88.8 127.7,88.8 132,84.5 134.5,84.5 135.1,85.1 v1(135.1,85.7)
  Bottom Layer w0.254: IC504.7@50.53,86 50.53,86.725 51.2,87.395 51.2,89 v1(51.8,89.6) IC504.3@51.8,90.9 ; v1(63.5,90) 63.5,89.4 CF408.1@63.6,89.3 ; IC506.7@73.06,88.5 73.06,89.225 73.7,89.865 73.7,91.5 v1(74.3,92.1) 74.33,92.13 IC506.3@74.33,93.4 ; CF308.1@87.3,89.4 v1(87.3,90) ; IC507.7@96.9,88.8 96.9,89.525 97.6,90.225 97.6,91.86 v1(98.17,92.43) IC507.3@98.17,93.7 ; CF211.1@111.5,89.4 v1(111.5,90) ; IC505.7@121.07,88.9 121.07,89.625 121.7,90.255 121.7,91.9 v1(122.34,92.54) IC505.3@122.34,93.8 ; CF502.1@135.1,85.1 v1(135.1,85.7)
FE: CX101.1 J103.S J104.S RX101.1 | length 64.9
  Top Layer w0.508: RX101.1@139.5,96.7 CX101.1@139.5,94.6 v1(147.1,94.6) 147.2,94.6 149.91,97.31 J104.S@152.5,97.31 153.845,97.31 154.191,96.964 154.191,96.314 155.426,95.079 155.426,82.221 154.2,80.995 ; J104.S@152.5,79.99 J104.S@152.5,82.3
  Bottom Layer w0.508: v1(147.1,94.6) 149.04,92.66 J103.S@152.475,92.66 ; J103.S@152.475,90.35 J103.S@152.475,92.66 ; 154.1,76.2 155.426,77.526 155.426,90.404 154.166,91.664 154.166,92.314 153.82,92.66 J103.S@152.475,92.66
GaN_H1_FAULT: IC101.12 IC202.12 J102.50 R201.2 | length 198.3
  Top Layer w0.203: v1(14,35.5) IC101.12@15.1,35.5 ; R201.2@31.7,87.8 v1(32.4,87.8) ; IC202.12@113.79,81.4 113.79,81.925 113.592,82.123 113.477,82.123 113.206,82.394 113.206,84.606 116.3,87.7 116.3,96.1 v1(114.9,97.5)
  Layer 2 w0.203: v1(4.5,52) 4.925,52 8.694,48.232 8.694,44.456 8.825,44.325 11.913,41.237 11.913,39.73 12.306,39.337 12.306,37.194 v1(14,35.5) ; v1(17,65.4) 17.6,64.8 19.596,64.8 21.638,66.842 21.638,68.014 33.013,79.389 33.013,87.187 v1(32.4,87.8) 32.4,93.125 36.392,97.117 62.284,97.117 64.23,95.171 67.096,95.171 68.305,96.381 88.519,96.381 89.406,95.494 90.668,95.494 92.868,97.694 111.906,97.694 112.687,96.913 114.313,96.913 v1(114.9,97.5)
  Bottom Layer w0.203: J102.50@2.386,51.996 4.496,51.996 v1(4.5,52) ; v1(14,35.5) 15.1,36.6 15.1,48.825 16.987,50.712 16.987,65.387 v1(17,65.4)
GaN_H1_OC: IC101.10 IC202.13 J102.46 R202.2 | length 201.5
  Top Layer w0.203: v1(14.042,34.242) 14.063,34.221 15.079,34.221 IC101.10@15.1,34.2 ; v1(31,92.3) R202.2@31.7,92.3 ; IC202.13@112.52,81.4 112.52,82.4 112.8,82.68 112.8,84.775 115.894,87.868 115.894,95.606 v1(114,97.5)
  Layer 2 w0.203: v1(5.3,53.6) 5.3,52.2 9.1,48.4 9.1,46.1 15.1,40.1 15.1,35.3 v1(14.042,34.242) ; v1(19.4,65.4) 19.48,65.4 19.755,65.674 19.896,65.674 21.232,67.011 21.232,68.183 32.606,79.557 32.606,86.794 31,88.4 v1(31,92.3) 36.224,97.524 62.452,97.524 64.398,95.578 66.927,95.578 68.137,96.787 88.688,96.787 89.575,95.9 90.5,95.9 92.7,98.1 113.4,98.1 v1(114,97.5)
  Bottom Layer w0.203: J102.46@2.386,53.596 2.389,53.598 5.298,53.598 v1(5.3,53.6) ; v1(14.042,34.242) 16.8,37 16.8,42.2 17.455,42.855 17.455,43.645 17.306,43.794 17.306,49.032 18.206,49.932 18.206,64.206 v1(19.4,65.4)
GaN_H1_Temp: IC202.14 J102.30 | length 150.7
  Top Layer w0.203: v1(4.629,60.365) v1@4.665,60.365 ; IC202.14@111.25,81.4 111.25,82.3 112.394,83.444 112.394,84.943 115.487,88.037 115.487,95.113 v1(113.1,97.5)
  Layer 3 w0.203: v1(4.629,60.365) 9.663,65.4 15.425,65.4 16.432,66.406 19.481,66.406 36.448,83.374 36.448,91.119 42.536,97.206 63.906,97.206 65.019,96.094 89.332,96.094 89.515,95.91 90.576,95.91 92.166,97.5 v1(113.1,97.5)
  Bottom Layer w0.203: J102.30@2.386,59.996 2.56,60.169 4.084,60.169 4.17,60.255 4.308,60.255 4.362,60.308 4.572,60.308 v1(4.629,60.365)
GaN_H2_FAULT: IC105.12 IC302.12 J102.74 R301.2 | length 163.5
  Top Layer w0.203: v1(14,42) 14.1,42 IC105.12@15.1,42 16.1,42 16.3,42.2 v1@16.3,43.9 ; R301.2@25.2,87.8 v1(25.9,87.8) ; IC302.12@90.49,81.4 90.49,81.925 90.292,82.123 90.177,82.123 89.626,82.674 89.626,85.111 92.1,87.585 92.1,96.3 v1(91.1,97.3)
  Layer 2 w0.203: v1(17.8,65.4) 18.887,66.487 19.559,66.487 20.419,67.347 20.419,68.519 30.9,79 30.9,83.6 26.7,87.8 v1(25.9,87.8) 25.9,91.4 25.15,92.15 25.15,92.55 30.936,98.336 62.789,98.336 64.732,96.394 65.2,96.394 ; 65.2,96.391 66.591,96.391 67.8,97.6 68.5,97.6 90.72,97.6 91.02,97.3 v1(91.1,97.3)
  Bottom Layer w0.203: J102.74@2.386,39.196 5.43,39.196 5.532,39.094 11.794,39.094 14,41.3 v1(14,42) ; v1(16.282,43.982) 16.282,44.062 16.494,44.274 16.494,49.368 17.394,50.268 17.394,64.968 17.8,65.375 v1(17.8,65.4)
GaN_H2_OC: IC105.10 IC302.13 J102.70 R302.2 | length 161.4
  Top Layer w0.203: v1(12.655,40.745) 12.7,40.7 IC105.10@15.1,40.7 16,40.7 16.9,41.6 v1(16.9,43.3) ; R302.2@25.1,92.3 v1(25.8,92.3) ; IC302.13@89.22,81.4 89.22,85.279 91.694,87.753 91.694,95.606 v1(90.4,96.9)
  Layer 2 w0.203: v1(18.6,65.4) 19.281,66.081 19.727,66.081 20.826,67.179 20.826,68.351 31.306,78.832 31.306,83.768 26.306,88.768 26.306,91.794 v1(25.8,92.3) 31.43,97.93 62.621,97.93 64.566,95.984 66.759,95.984 67.968,97.194 68.9,97.194 90.026,97.194 90.32,96.9 v1(90.4,96.9)
  Bottom Layer w0.203: J102.70@2.412,40.77 J102.70@2.386,40.795 4.405,40.795 5.7,39.5 11.41,39.5 v1(12.655,40.745) v1@12.63,40.77 ; v1(16.9,43.3) 16.9,49.2 17.8,50.1 17.8,64.6 v1(18.6,65.4)
GaN_H2_Temp: IC302.14 J102.54 | length 139.5
  Top Layer w0.203: IC302.14@87.95,81.4 87.95,83.35 88.7,84.1 88.7,85.334 91.287,87.921 91.287,95.013 v1(89.8,96.5)
  Layer 3 w0.203: v1(4.8,51) 4.4,50.6 3.8,50.6 2.181,52.219 2.181,62.887 3.886,64.592 4.467,64.592 6.934,67.059 6.934,69.088 8.915,71.069 13.386,71.069 14.046,71.73 19.685,71.73 36.042,88.087 36.042,91.287 42.367,97.612 64.103,97.612 65.215,96.5 v1(89.8,96.5)
  Bottom Layer w0.203: J102.54@2.386,50.396 4.296,50.396 4.8,50.9 v1(4.8,51)
GaN_H3_FAULT: IC109.12 IC402.12 J102.73 R401.2 | length 138.4
  Top Layer w0.203: J102.73@2.386,39.196 4.096,39.196 4.9,40 4.9,41.025 8.868,44.994 11.394,44.994 12.895,46.495 v1(12.905,46.495) ; v1(13.8,48.497) 13.802,48.498 15.098,48.498 IC109.12@15.1,48.5 ; v1(18,87.8) R401.2@18.7,87.8 ; v1(66.807,97.42) 66.807,97.393 68.306,95.894 68.306,86.957 67,85.651 67,82.5 67.377,82.123 67.392,82.123 67.59,81.925 IC402.12@67.59,81.4
  Layer 2 w0.203: v1(13.8,48.497) 13.783,48.514 13.245,48.514 10.559,51.2 9.975,51.2 9.306,51.868 9.306,66.606 10.906,68.206 10.906,69.6 14.606,73.3 15.1,73.3 16.506,74.706 16.506,86.306 v1(18,87.8) 19.2,89 19.2,92.925 25.017,98.743 62.957,98.743 64.9,96.8 66.2,96.8 66.807,97.407 v1(66.807,97.42)
  Bottom Layer w0.203: v1(12.905,46.495) 12.905,47.602 v1(13.8,48.497)
GaN_H3_OC: IC109.10 IC402.13 J102.69 R402.2 | length 136.6
  Top Layer w0.203: J102.69@2.386,40.795 4.095,40.795 8.7,45.4 11.025,45.4 12.825,47.2 v1@13.985,47.2 ; v1(13.942,47.242) v1@13.985,47.2 ; IC109.10@15.1,47.2 v1@13.985,47.2 ; v1(18,92.3) R402.2@18.7,92.3 ; v1(65.892,97.455) 65.892,97.392 67.9,95.385 67.9,87.125 66.548,85.774 66.548,83.261 66.32,83.033 IC402.13@66.32,81.4
  Layer 2 w0.203: v1(13.942,47.242) 10.485,50.7 9.9,50.7 8.9,51.7 8.9,66.775 10.5,68.375 10.5,69.768 14.438,73.706 14.932,73.706 16.1,74.875 16.1,86.8 18,88.7 v1(18,92.3) 24.849,99.149 63.126,99.149 64.201,98.074 65.274,98.074 v1(65.892,97.455)
GaN_H3_Temp: IC402.14 J102.53 | length 117.4
  Top Layer w0.203: J102.53@2.386,50.396 5.296,50.396 v1(5.3,50.4) ; v1(65.045,97.455) 67.494,95.006 67.494,87.294 66,85.8 66,83.288 65.242,82.53 65.242,81.592 IC402.14@65.05,81.4
  Layer 3 w0.203: v1(5.3,50.4) 5.27,50.37 4.745,50.37 4.568,50.194 3.632,50.194 1.774,52.051 1.774,63.055 3.718,64.999 4.299,64.999 6.528,67.228 6.528,69.256 8.747,71.476 13.217,71.476 13.878,72.136 19.517,72.136 35.636,88.255 35.636,91.455 42.199,98.019 64.481,98.019 v1(65.045,97.455)
GaN_L1_FAULT: IC101.4 IC204.14 J102.42 R204.2 | length 118.4
  Top Layer w0.203: IC101.4@9.4,34.85 v1(8.3,34.85) 8.295,34.845 8.295,32.505 8.6,32.2 14.9,32.2 18.187,28.913 18.187,10.313 22.56,5.94 IC204.14@24.85,5.94 ; v1(29.9,79.3) 30.5,78.7 R204.2@31.7,78.7
  Layer 2 w0.203: v1(16.3,70.9) 17.871,72.471 17.871,82.911 19.253,84.294 24.906,84.294 v1(29.9,79.3)
  Layer 3 w0.203: v1(4.7,55.6) 6.039,54.261 6.039,51.502 7.242,50.299 7.242,40.57 7.239,40.567 7.239,35.911 v1(8.3,34.85)
  Bottom Layer w0.203: J102.42@2.389,55.198 J102.42@2.386,55.196 4.296,55.196 v1(4.7,55.6) 5.778,56.678 5.978,56.678 8.02,58.72 8.02,66.369 11.851,70.2 15.6,70.2 v1(16.3,70.9)
GaN_L1_OC: IC101.2 IC204.13 J102.38 R207.2 | length 112.7
  Top Layer w0.203: v1(8.3,36.15) IC101.2@9.4,36.15 ; v1(21.9,7.9) 23.635,7.9 24.325,7.21 IC204.13@24.85,7.21 ; v1(29.4,83.414) 31.586,83.414 R207.2@31.7,83.3
  Layer 2 w0.203: v1(8.3,36.15) 8.887,35.563 8.887,32.338 18.287,22.938 18.287,11.513 v1(21.9,7.9) ; v1(15.5,70.9) 17.464,72.864 17.464,83.08 19.085,84.7 25.075,84.7 26.36,83.414 v1(29.4,83.414)
  Layer 3 w0.203: v1(4.7,57.2) 6.445,55.455 6.445,51.67 7.648,50.467 7.648,39.237 7.645,39.234 7.645,36.805 v1(8.3,36.15)
  Bottom Layer w0.203: J102.38@2.386,56.796 4.296,56.796 v1(4.7,57.2) 5.925,57.2 7.613,58.888 7.613,66.537 7.888,66.812 ; 7.825,66.875 7.951,66.875 11.682,70.606 15.126,70.606 15.42,70.9 v1(15.5,70.9)
GaN_L1_Temp: IC204.12 J102.34 | length 66.6
  Top Layer w0.203: v1(17.6,30.6) 18.787,29.413 18.787,10.313 20.62,8.48 IC204.12@24.85,8.48
  Layer 3 w0.203: v1(4.701,58.801) 4.704,58.801 6.5,57.004 6.5,56.6 8.594,54.506 8.594,51.363 8.878,51.078 8.987,50.97 8.987,34.213 12.6,30.6 v1(17.6,30.6)
  Bottom Layer w0.203: J102.34@2.386,58.396 2.389,58.398 4.298,58.398 v1(4.701,58.801)
GaN_L2_FAULT: IC105.4 IC303.14 J102.66 R304.2 | length 90.8
  Top Layer w0.203: v1(8.203,41.4) 8.228,41.375 9.375,41.375 IC105.4@9.4,41.35 ; v1(21.8,18) 22.86,16.94 IC303.14@24.85,16.94 ; v1(24.5,78.7) R304.2@25.2,78.7
  Layer 2 w0.203: v1(8.203,41.4) 8.203,41.397 9.294,40.306 9.294,32.506 18.694,23.106 18.694,20.732 21.425,18 v1(21.8,18) ; v1(17.416,67.916) 18.031,67.3 19.2,67.3 19.606,67.706 19.606,70.206 20,70.6 20,74.2 v1(24.5,78.7)
  Bottom Layer w0.203: J102.66@2.386,42.395 7.205,42.395 v1@8.2,41.4 ; v1(8.203,41.4) v1@8.2,41.4 ; v1(17.416,67.916) 16.892,67.392 10.192,67.392 8.832,66.032 8.832,42.032 v1@8.2,41.4
GaN_L2_OC: IC105.2 IC303.13 J102.62 R307.2 | length 96.4
  Top Layer w0.203: v1(8.203,42.7) 8.228,42.675 9.375,42.675 IC105.2@9.4,42.65 ; v1(21.8,18.8) 23.735,18.8 24.325,18.21 IC303.13@24.85,18.21 ; v1(24.458,83.258) 25.158,83.258 R307.2@25.2,83.3
  Layer 2 w0.203: v1(8.203,42.7) 8.203,42.697 9.7,41.2 9.7,32.675 19.1,23.275 19.1,20.9 21.2,18.8 v1(21.8,18.8) ; v1(16.6,67.947) 17.653,66.894 19.391,66.894 20.013,67.516 20.013,70.013 20.406,70.406 20.406,73.806 25.1,78.5 25.1,79.1 24.5,79.7 24.5,83.215 v1(24.458,83.258)
  Bottom Layer w0.203: J102.62@2.386,43.995 6.905,43.995 8.2,42.7 v1(8.203,42.7) ; v1@8.145,42.755 8.145,42.772 8.426,43.053 8.426,66.201 10.12,67.895 v1@16.548,67.895 ; v1(16.6,67.947) v1@16.548,67.895 ; v1@16.748,67.895 v1@16.548,67.895
GaN_L2_Temp: IC303.12 J102.58 | length 39.9
  Top Layer w0.203: v1(21.8,19.503) 21.813,19.49 24.84,19.49 IC303.12@24.85,19.48
  Layer 2 w0.203: v1(4.9,44.8) 5.5,44.2 7.8,44.2 11.1,40.9 11.1,39.394 11.494,39 11.494,31.581 19.506,23.568 19.506,21.2 21.203,19.503 v1(21.8,19.503)
  Bottom Layer w0.203: J102.58@2.386,45.596 3.996,45.596 4,45.6 4.1,45.6 v1(4.9,44.8)
GaN_L3_FAULT: IC109.4 IC403.14 J102.65 R404.2 | length 78.7
  Top Layer w0.203: J102.65@2.386,42.395 4.905,42.395 7.5,44.991 7.5,46.95 8.4,47.85 IC109.4@9.4,47.85 9.473,47.923 10.485,47.923 10.552,47.991 v1(10.632,47.991) ; R404.2@18.7,78.7 v1(19.4,78.7) ; v1(21.7,29.3) 22.96,28.04 IC403.14@24.85,28.04
  Layer 2 w0.203: v1(10.632,47.991) 11.6,47.023 11.6,45.425 16.4,40.625 16.4,35.3 19.8,31.9 20.4,31.9 21.7,30.6 v1(21.7,29.3) ; v1(19,67.9) 19,67.98 19.2,68.18 19.2,70.4 19.4,70.6 v1(19.4,78.7)
  Bottom Layer w0.203: v1(10.632,47.991) 10.65,47.991 11.034,48.374 11.1,48.374 11.1,50 9.645,51.455 9.645,64.345 11.879,66.579 17.679,66.579 v1(19,67.9)
GaN_L3_OC: IC109.2 IC403.13 J102.61 R407.2 | length 82.3
  Top Layer w0.203: J102.61@2.386,43.995 5.93,43.995 7.094,45.159 7.094,47.744 8.5,49.15 IC109.2@9.4,49.15 10.45,49.15 v1(10.5,49.1) ; R407.2@18.7,83.1 v1(19.4,83.1) ; v1(22.3,30) 23.635,30 24.325,29.31 IC403.13@24.85,29.31
  Layer 2 w0.203: v1(10.5,49.1) 12.006,47.594 12.006,45.594 16.806,40.794 16.806,35.594 20,32.4 20.5,32.4 22.3,30.6 v1(22.3,30) ; 18.594,68.307 18.208,67.921 v1(18.208,67.908) 18.794,68.494 18.794,70.6 18.994,70.8 18.994,78.252 18.845,78.4 18.845,79.045 19.4,79.6 v1(19.4,83.1)
  Bottom Layer w0.203: v1(10.5,49.1) 10.42,49.1 10.271,49.248 10.252,49.248 9.945,49.555 9.945,50.58 9.239,51.286 9.239,64.514 11.711,66.986 17.286,66.986 v1(18.208,67.908)
GaN_L3_Temp: IC403.12 J102.57 | length 32.2
  Top Layer w0.203: J102.57@2.386,45.596 4.904,45.596 v1(5.7,44.8) ; v1(20.9,30.6) 20.91,30.59 24.84,30.59 IC403.12@24.85,30.58
  Layer 2 w0.203: v1(5.7,44.8) 7.775,44.8 11.506,41.068 11.506,39.562 11.9,39.168 11.9,34.7 13.7,32.9 18.2,32.9 19.822,31.278 20.222,31.278 v1(20.9,30.6)